# Altium PCB RPI Main Computer.PcbDoc (part 1 of 2)
Units mm, origin at the board's own origin, x right, y up, seen from the top; angles counter-clockwise.
Board outline 129 x 105 mm, 4 copper layers (F.Cu, In1.Cu, In2.Cu, B.Cu); 126 components, 153 nets, 663 pads, 209 vias.
Unrouted connection lines stored in the file: 267.
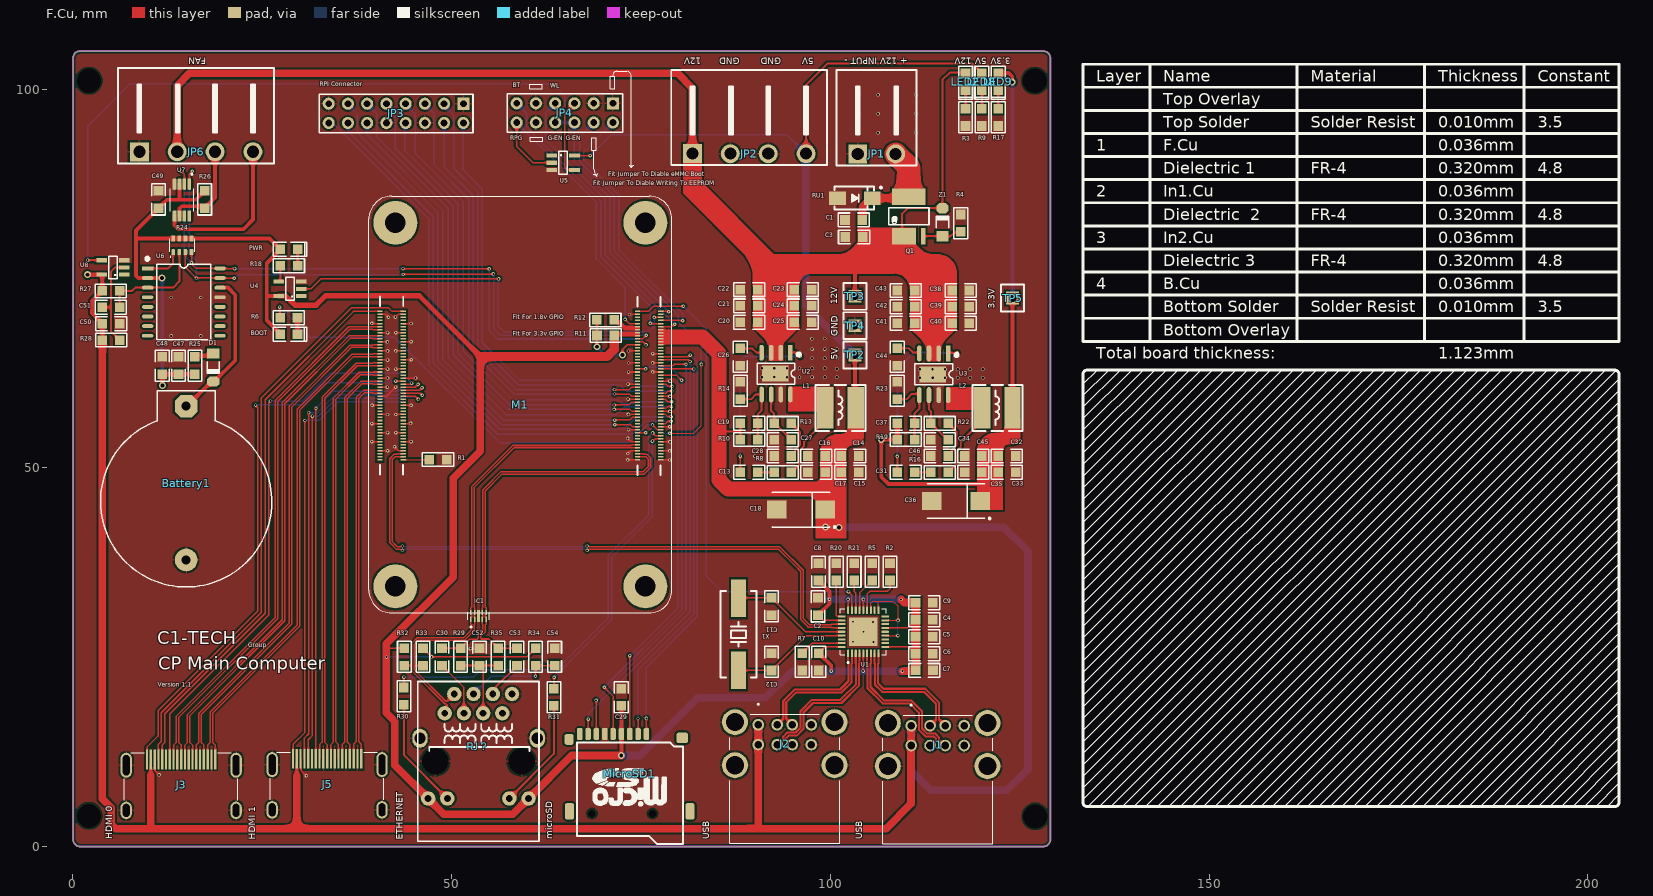
[diagram p0: F.Cu view]
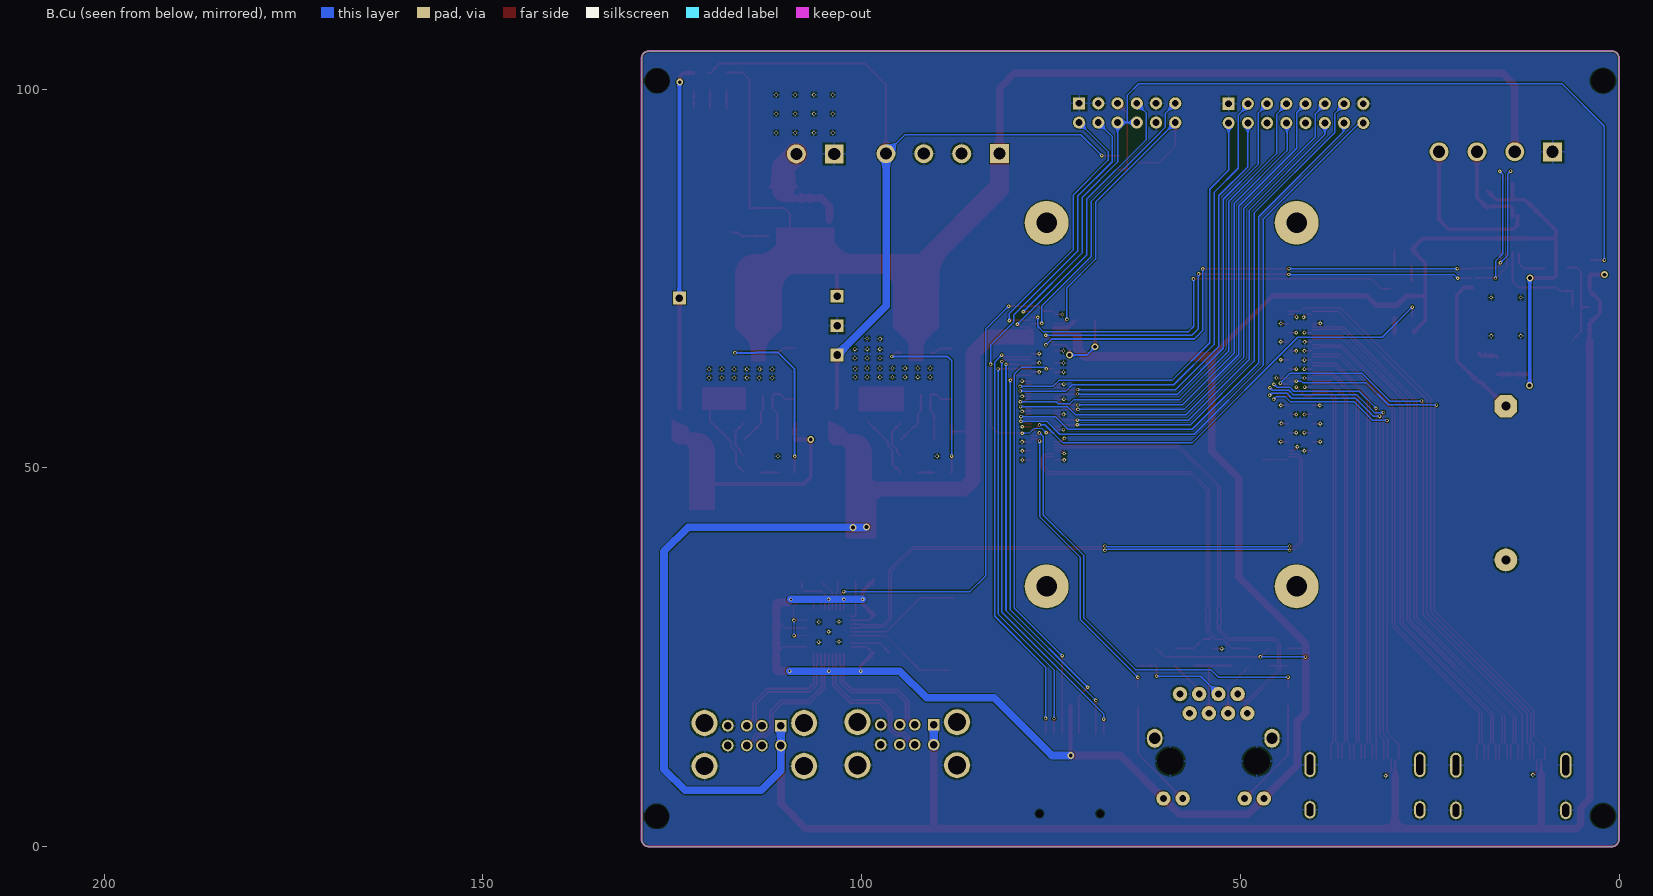
[diagram p1: B.Cu view, seen from below]
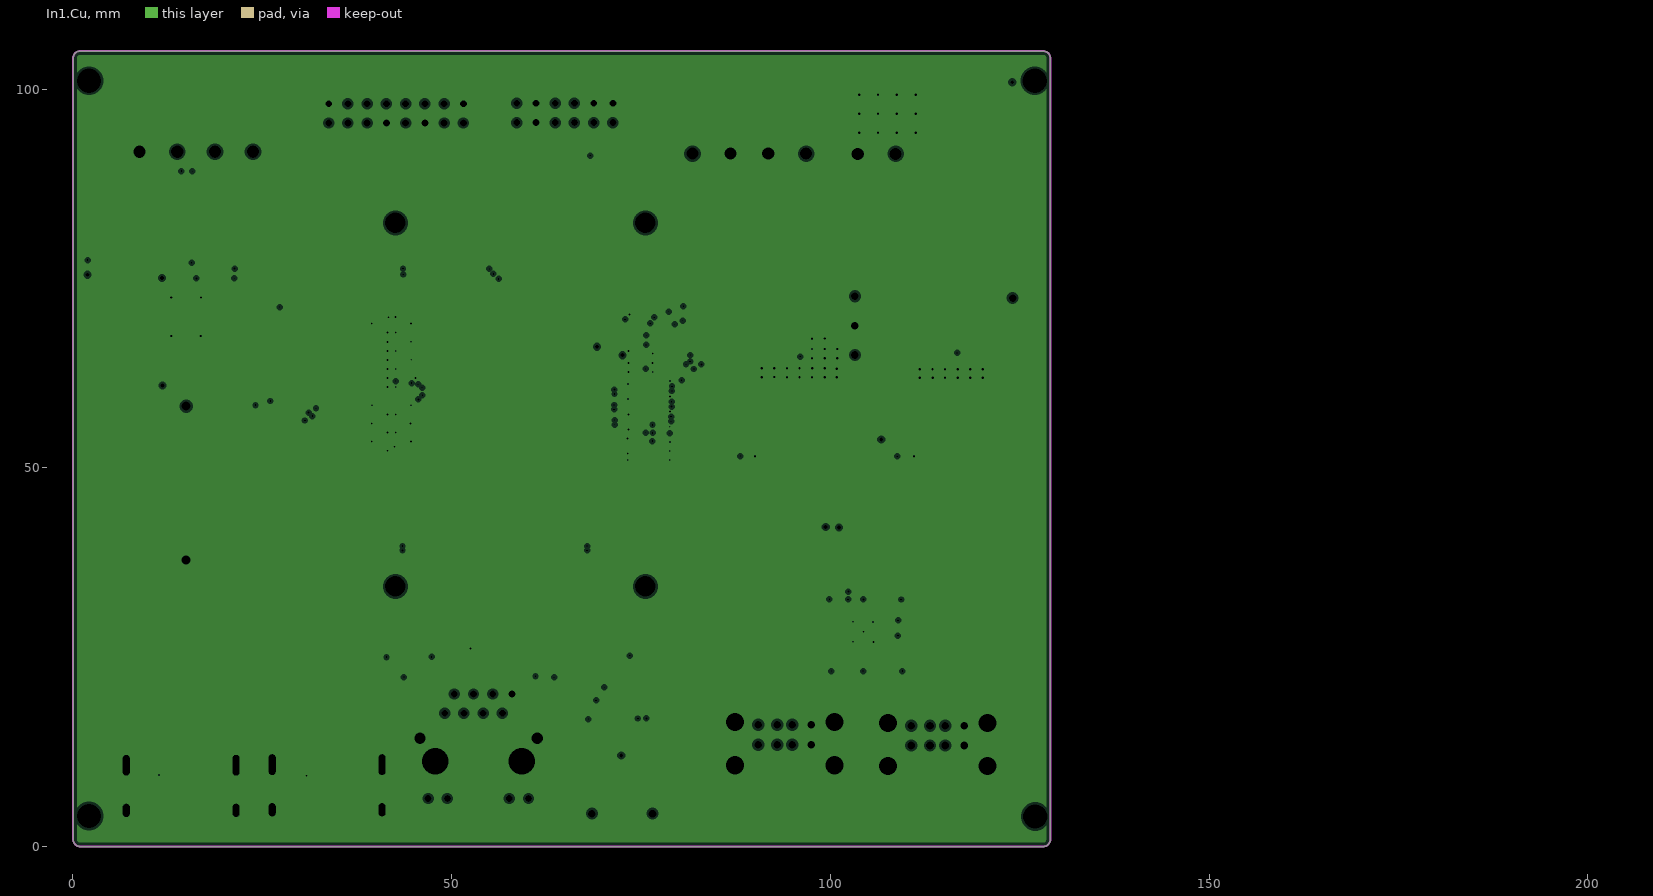
[diagram p2: In1.Cu, clearances drawn from the general rule]
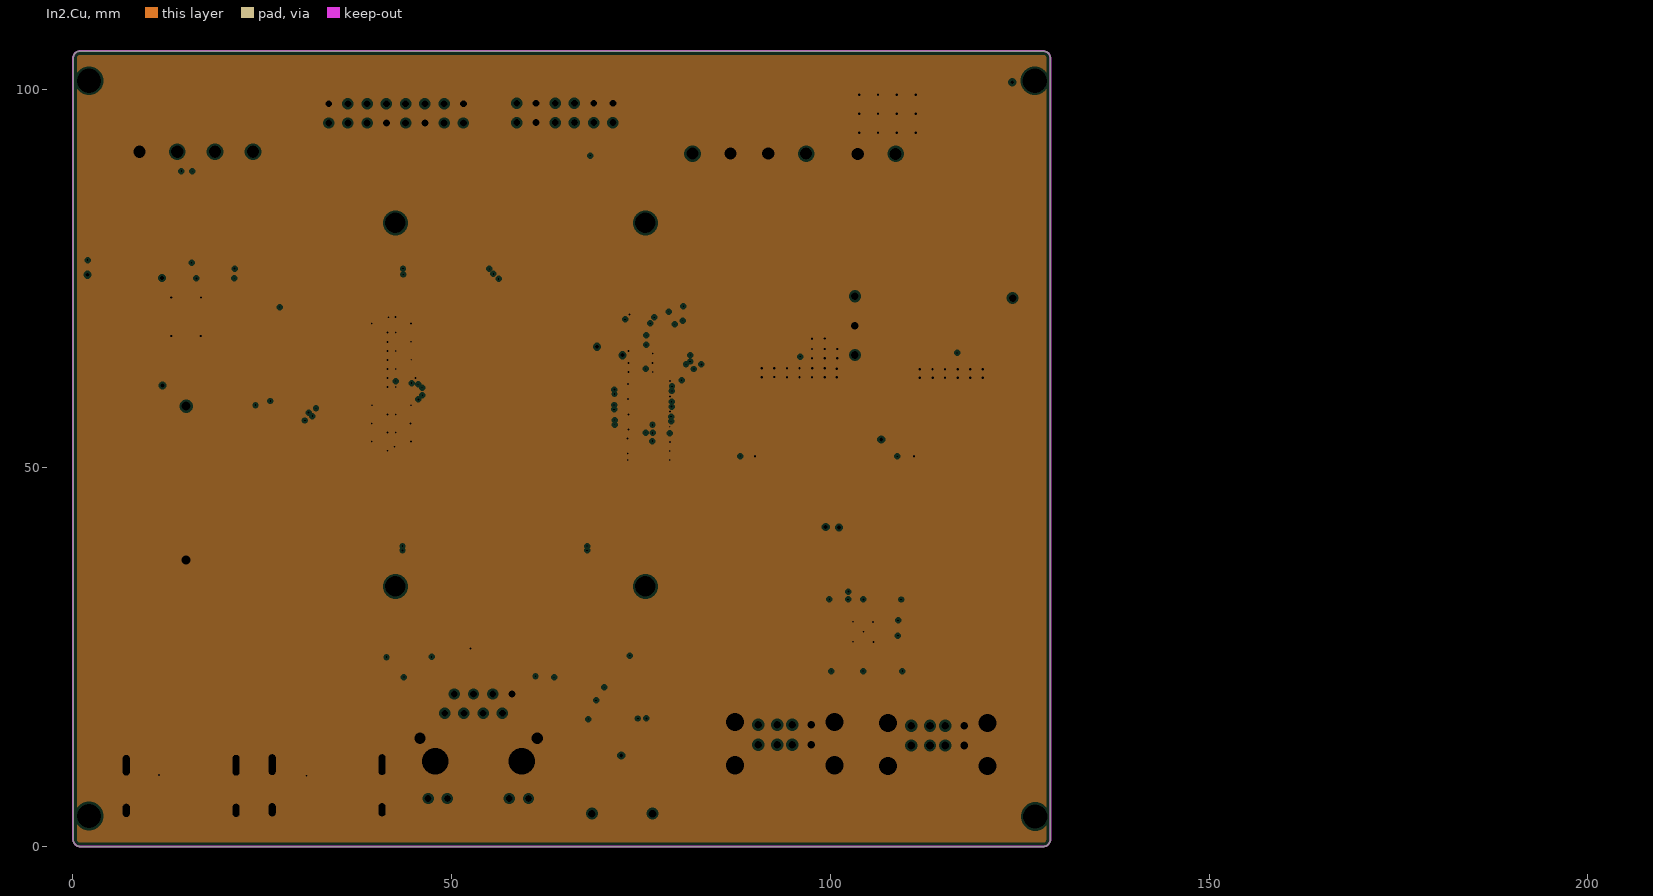
[diagram p3: In2.Cu, clearances drawn from the general rule]

## Layer stack, top to bottom
Top Solder: solder mask 0.0102, Solder Resist, Dk 3.5
F.Cu: signal copper 0.0356
Dielectric 1: prepreg 0.32, FR-4, Dk 4.8
In1.Cu: plane copper 0.0356, net GND
Dielectric  2: prepreg 0.32, FR-4, Dk 4.8
In2.Cu: plane copper 0.0356, net GND
Dielectric 3: prepreg 0.32, FR-4, Dk 4.8
B.Cu: signal copper 0.0356
Bottom Solder: solder mask 0.0102, Solder Resist, Dk 3.5

## Board outline
0.051,1.017 ccw(c0.993,0.965) 0.888,0.028 0.851,0.017 128.051,0.017 ccw(c128.103,0.958) 129.04,0.853 129.051,0.817 129.051,104.017 ccw(c128.11,104.068) 128.215,105.005 128.151,105.017 1.051,105.017 ccw(c1,104.075) 0.063,104.18 0.051,104.217

## Design rules (kind name [scope] priority, off if disabled: settings)
Clearance Clearance_1 [InNamedPolygon('GND_L01_P000') Or InNamedPolygon('NONET_L02_P001')] p1: gap=0.25 ignorepadtopadclearanceinfootprint=FALSE
Clearance [All] p2: gap=0.12 ignorepadtopadclearanceinfootprint=FALSE
ComponentClearance [All] p1: gap=0 collisioncheckmode=3 verticalgap=0 showdistances=FALSE
DiffPairsRouting 90OHM [InDifferentialPairClass('90OHM')] p1: maxlimit=0.127 minlimit=0.127 mostfreqgap=0.127 toplayer_minwidth=0.2 toplayer_maxwidth=0.278 toplayer_prefwidth=0.278 bottomlayer_minwidth=0.2 bottomlayer_maxwidth=0.278 bottomlayer_prefwidth=0.278 maxuncoupledlength=12.7
DiffPairsRouting 100OHM [InDifferentialPairClass('100ohm')] p2: maxlimit=0.127 minlimit=0.127 mostfreqgap=0.127 toplayer_minwidth=0.2 toplayer_maxwidth=0.2 toplayer_prefwidth=0.2 bottomlayer_minwidth=0.2 bottomlayer_maxwidth=0.2 bottomlayer_prefwidth=0.2 maxuncoupledlength=12.7
HoleSize [All] p1: absolutevalues=TRUE maxlimit=5 minlimit=0.025 maxpercent=80.000 minpercent=20.000
PlaneClearance [All] p1: clearance=0.3
PlaneConnect [All] p1: planeconnectstyle=Direct reliefexpansion=0.508 reliefentries=4 reliefconductorwidth=0.254 reliefairgap=0.254
PolygonConnect PolygonConnect_1 [All vs IsNamedPolygon('GND_L01_P000') Or IsNamedPolygon('NONET_L02_P001')] p1: thpad.connectstyle=Relief thpad.reliefconductorwidth=0.254 thpad.reliefentries=4 thpad.polygonreliefangle="90 Angle" thpad.airgapwidth=0.254 smdpad.connectstyle=Direct smdpad.reliefconductorwidth=0.254 smdpad.reliefentries=4 smdpad.polygonreliefangle="90 Angle" smdpad.airgapwidth=0.254 via.connectstyle=Direct via.reliefconductorwidth=0.254 via.reliefentries=4 via.polygonreliefangle="90 Angle" via.airgapwidth=0.254
PolygonConnect [All] p2: connectstyle=Relief reliefconductorwidth=0.254 reliefentries=4 polygonreliefangle="90 Angle" airgapwidth=0.254
RoutingVias [All] p1: holewidth=0.25 width=0.45 viastyle="Through Hole" minholewidth=0.2 minwidth=0.35 maxholewidth=0.5 maxwidth=0.9
SolderMaskExpansion [All] p1: expansion=0.102 istentingtop=FALSE
Width [All] p1: maxlimit=3 minlimit=0.127 preferedwidth=0.2
25 further rules are at their usual default settings.

## Classes and differential pairs
differential pair class 90ohm: USB1_D USB2 USB2_D USB3_D USB4_D
differential pair class 100ohm: HDMI0_CK HDMI0_D0 HDMI0_D1 HDMI0_D2 HDMI1_CK HDMI1_D0 HDMI1_D1 HDMI1_D2 TRD0 TRD1
differential pair USB4_D: +USB4_D_P -USB4_D_N
differential pair USB3_D: +USB3_D_P -USB3_D_N
differential pair USB2_D: +USB2_D_P -USB2_D_N
differential pair USB1_D: +USB1_D_P -USB1_D_N
differential pair USB2: +USB2_P -USB2_N
differential pair TRD1: +TRD1_P -TRD1_N
differential pair TRD0: +TRD0_P -TRD0_N
differential pair HDMI1_D2: +HDMI1_D2_P -HDMI1_D2_N
differential pair HDMI1_D1: +HDMI1_D1_P -HDMI1_D1_N
differential pair HDMI1_D0: +HDMI1_D0_P -HDMI1_D0_N
differential pair HDMI1_CK: +HDMI1_CK_P -HDMI1_CK_N
differential pair HDMI0_D2: +HDMI0_D2_P -HDMI0_D2_N
differential pair HDMI0_D1: +HDMI0_D1_P -HDMI0_D1_N
differential pair HDMI0_D0: +HDMI0_D0_P -HDMI0_D0_N
differential pair HDMI0_CK: +HDMI0_CK_P -HDMI0_CK_N

## Components (designator, comment, footprint, x,y, rotation, side; value= is the part's Value field where it differs from the comment)
Battery1 "Battery Button Cell" CR2032 14.986,47.998 r270 top
BOOT "LED GREEN" "LED 0805R" 28.534,67.656 r0 top (schematic designator LED7)
C1 "100nF" "C 0805" 103.093,82.723 r180 top
C2 "100nF" "C 0805" 98.382,31.703 r90 top
C3 "100nF" "C 0805" 103.136,80.478 r180 top
C4 "100nF" "C 0805" 112.396,29.968 r0 top
C5 "100nF" "C 0805" 112.396,27.725 r0 top
C6 "100nF" "C 0805" 112.396,25.482 r0 top
C7 "100nF" "C 0805" 112.415,23.265 r0 top
C8 "100nF" "C 0805" 98.449,36.272 r90 top
C9 "100nF" "C 0805" 112.396,32.211 r0 top
C10 "100nF" "C 0805" 98.487,24.401 r270 top
C11 "27pF" "C 0805" 92.244,31.708 r270 top
C12 "27pF" "C 0805" 92.244,24.395 r90 top
C13 "100nF" "C 0805" 89.281,49.403 r0 top
C14 "10uF" "C 0805" 102.616,51.562 r0 top
C15 "10uF" "C 0805" 102.616,49.403 r0 top
C16 "10uF" "C 0805" 98.171,51.562 r180 top
C17 "10uF" "C 0805" 98.171,49.403 r180 top
C18 "100uF" "CD D(7343)" 96.131,44.49 r180 top
C19 "nf" "C 0805" 89.281,55.88 r0 top
C20 "10uF" "C 0805" 89.281,69.215 r180 top
C21 "10uF" "C 0805" 89.281,71.374 r180 top
C22 "10uF" "C 0805" 89.281,73.533 r180 top
C23 "10uF" "C 0805" 96.393,73.533 r0 top
C24 "10uF" "C 0805" 96.393,71.374 r0 top
C25 "10uF" "C 0805" 96.393,69.215 r0 top
C26 "100nF" "C 0805" 88.138,64.643 r270 top
C27 "nf" "C 0805" 93.726,53.721 r180 top
C28 "1.2nF" "C 0805" 93.726,51.562 r180 top
C29 "10uF" "C 0805" 72.43,19.723 r90 top
C30 "6.8nF" "C 0805" 48.746,25.047 r270 top
C31 "100nF" "C 0805" 109.982,49.403 r0 top
C32 "10uF" "C 0805" 123.317,51.562 r0 top
C33 "10uF" "C 0805" 123.317,49.403 r0 top
C34 "10uF" "C 0805" 118.872,51.562 r180 top
C35 "10uF" "C 0805" 118.872,49.403 r180 top
C36 "100uF" "CD D(7343)" 116.586,45.625 r180 top
C37 "nf" "C 0805" 109.982,55.88 r0 top
C38 "10uF" "C 0805" 117.221,73.406 r0 top
C39 "10uF" "C 0805" 117.221,71.247 r0 top
C40 "10uF" "C 0805" 117.221,69.088 r0 top
C41 "10uF" "C 0805" 109.982,69.088 r180 top
C42 "10uF" "C 0805" 109.982,71.247 r180 top
C43 "10uF" "C 0805" 109.982,73.406 r180 top
C44 "100nF" "C 0805" 108.839,64.643 r270 top
C45 "nf" "C 0805" 114.427,53.721 r180 top
C46 "1.2nF" "C 0805" 114.427,51.562 r180 top
C47 "100nF" "C 0805" 13.97,63.5 r90 top
C48 "100nF" "C 0805" 11.811,63.5 r270 top
C49 "100nF" "C 0805" 11.335,85.425 r90 top
C50 "100nF" "C 0805" 5.075,69.037 r0 top
C51 "100nF" "C 0805" 5.051,71.204 r0 top
C52 "0.01uF" "C 0805" 53.7,25.047 r90 top
C53 "6.8nF" "C 0805" 58.655,25.047 r270 top
C54 "22nF" "C 0805" 63.609,25.047 r90 top
D1 "1N4148" "MINI_MELF (LL34)" 18.542,63.246 r270 top
IC1 "RClamp0524P" RClamp0524P 53.827,30.449 r90 top
J1 "USB-A-4Port" USB-A-4Port 114.173,10.668 r0 top
J2 "USB-A-4Port" USB-A-4Port 93.992,10.783 r0 top
J3 "47151-0001" HDMI-A 14.321,11.509 r180 top
J5 "47151-0001" HDMI-A 33.589,11.586 r180 top
JP1 "HDR-1X2" KF2EDGK-2P_H_5.08 103.627,91.44 r0 top
JP2 "HDR-1X4" KF2EDGK-4P_H_5.08 81.807,91.473 r0 top
JP3 "Header 8X2" HDR-8X2 51.572,98.064 r180 top
JP4 "Header 6X2" HDR-6X2 71.311,98.115 r180 top
JP6 "HDR-1X4" KF2EDGK-4P_H_5.08 8.799,91.717 r0 top
L1 "?uH" CD53 101.346,57.912 r0 top
L2 "?uH" CD53 122.047,57.912 r0 top
LED2 "LED-SMD" "LED 0805R" 117.856,100.965 r270 top
LED8 "LED-SMD" "LED 0805R" 120.015,100.965 r270 top
LED9 "LED-SMD" "LED 0805R" 122.174,100.965 r270 top
M1 "RPI CM4" CM4 59.329,58.377 r270 top
MicroSD1 "MicroSD Card" "micro SD Card" 75.734,14.871 r180 top
PWR "LED RED" "LED 0805R" 28.551,78.836 r0 top (schematic designator LED10)
Q1 "FDS4435BZ" SOP8-E3 110.363,83.185 r0 top
R1 "10K" "R 0805" 48.222,51.089 r0 top
R2 "36K, 1%" "R 0805" 105.522,36.272 r270 top
R3 "4.7K" "R 0805" 117.856,96.266 r270 top
R4 "1K" "R 0805" 117.221,82.296 r270 top
R5 "36K, 1%" "R 0805" 107.885,36.272 r270 top
R6 "1K" "R 0805" 28.534,69.818 r180 top
R7 "12K, 1%" "R 0805" 96.301,24.401 r90 top
R8 "10R" "R 0805" 93.726,49.403 r180 top
R9 "2.2K" "R 0805" 120.015,96.266 r270 top
R10 "12K" "R 0805" 89.281,53.721 r180 top
R11 "0" "R 0805" 70.352,67.468 r0 top
R12 "nf" "R 0805" 70.329,69.537 r0 top
R13 "20K" "R 0805" 93.726,55.88 r180 top
R14 "2.2K" "R 0805" 88.138,60.198 r270 top
R16 "22R" "R 0805" 114.427,49.403 r180 top
R17 "2.2K" "R 0805" 122.174,96.266 r270 top
R18 "1K" "R 0805" 28.551,76.677 r180 top
R19 "47K" "R 0805" 109.982,53.721 r180 top
R20 "36K, 1%" "R 0805" 100.795,36.272 r270 top
R21 "36K, 1%" "R 0805" 103.158,36.272 r270 top
R22 "12K" "R 0805" 114.427,55.88 r180 top
R23 "15K" "R 0805" 108.839,60.198 r270 top
R24 "4.7K" "RA1206 (4x0603)" 14.478,79.375 r90 top
R25 "220" "R 0805" 16.129,63.5 r90 top
R26 "510K" "R 0805" 17.431,85.425 r90 top
R27 "510K" "R 0805" 5.051,73.356 r180 top
R28 "510K" "R 0805" 5.075,66.853 r0 top
R29 "82R" "R 0805" 51.208,25.047 r90 top
R30 "470" "R 0805" 43.716,19.86 r90 top
R31 "470" "R 0805" 63.517,19.723 r90 top
R32 "51R" "R 0805" 43.776,25.047 r90 top
R33 "51R" "R 0805" 46.251,25.047 r270 top
R34 "10R" "R 0805" 61.114,25.047 r270 top
R35 "82R" "R 0805" 56.16,25.047 r270 top
RJ？ "HR911105A" RJ-45A12 46.923,6.358 r270 top
RU1 "*" SMA 103.251,85.598 r0 top
TP2 "Test Point" TEST_POINT_40MIL_R 103.25,64.897 r270 top
TP3 "Test Point" TEST_POINT_40MIL_R 103.251,72.644 r270 top
TP4 "Test Point" TEST_POINT_40MIL_R 103.25,68.764 r270 top
TP5 "Test Point" TEST_POINT_40MIL_R 124.069,72.41 r270 top
U1 "USB2514" QFN36 104.361,28.317 r90 top
U2 "AP64501SP-13" SOP8_M-EP 92.837,62.44 r270 top
U3 "AP64501SP-13" SOP8_M-EP 113.665,62.357 r270 top
U4 "SN74LVC1G17DBVT" SOT23-5M 28.678,73.629 r90 top
U5 "SN74LVC1G17DBVT" SOT23-5M 64.741,90.263 r270 top
U6 "DS3231" SOP16W_L 14.681,71.882 r0 top
U7 "EMC2301" MSOP-8 14.451,85.38 r270 top
U8 "SN74LVC1G17DBVT" SOT23-5M 5.334,76.454 r90 top
X1 "12MHz" XTAL-HC49S-SMD 87.885,28.038 r90 top
Z1 "1N4106" DO-213AA 114.808,82.423 r90 top

## Footprints (in the part's own frame and the unit in brackets; to place one, negate y for a bottom-side part, rotate by r counter-clockwise, add the part's x,y. Pads: shape width x height; smd on the part's side, far side on the other; paste and mask are expansions set on the pad)
"C 0805" [mil] "ï¿½Þ¼ï¿½ï¿½ï¿½ï¿½ï¿½Æ¬ï¿½ï¿½ï¿½ï¿½"
  rect 50x50 smd: 1(-45,0) 2(45,0)
  silkscreen extent -81,-36 81,36, body extent -39,-24 39,24, height 20
CD53 [mm] "5.8*5.2*3.5mm£¨³¤¿í¸ß£©"
  rect 2.15x5.5 smd: 1(-2,0) 2(2,0)
  silkscreen extent -3.3,-3.05 3.3,3.05, body extent -2.87,-2.5 2.87,2.5, height 3.6
"CD D(7343)" [mm] "Capacitor, SM Tantalum; Body 7.3 x 4.3 mm (LxW typ)"
  rect 2.6x2.4 smd: 1(-3.2,0) 2(3.2,0)
  silkscreen extent -4.58,-2.3 3.8,2.42, body extent -3.65,-2.15 3.65,2.15, height 2.8
CM4 [mm]
  rect 0.2x0.7 smd: 1(7.325,18.311) 2(7.325,15.231) 3(6.925,18.311) 4(6.925,15.231) 5(6.525,18.311) 6(6.525,15.231) 7(6.125,18.311) 8(6.125,15.231) 9(5.725,18.311) 10(5.725,15.231) 11(5.325,18.311) 12(5.325,15.231) 13(4.925,18.311) 14(4.925,15.231) 15(4.525,18.311) 16(4.525,15.231) 17(4.125,18.311) 18(4.125,15.231) 19(3.725,18.311) 20(3.725,15.231) 21(3.325,18.311) 22(3.325,15.231) 23(2.925,18.311) 24(2.925,15.231) 25(2.525,18.311) 26(2.525,15.231) 27(2.125,18.311) 28(2.125,15.231) 29(1.725,18.311) 30(1.725,15.231) 31(1.325,18.311) 32(1.325,15.231) 33(0.925,18.311) 34(0.925,15.231) 35(0.525,18.311) 36(0.525,15.231) 37(0.125,18.311) 38(0.125,15.231) 39(-0.275,18.311) 40(-0.275,15.231) 41(-0.675,18.311) 42(-0.675,15.231) 43(-1.075,18.311) 44(-1.075,15.231) 45(-1.475,18.311) 46(-1.475,15.231) 47(-1.875,18.311) 48(-1.875,15.231) 49(-2.275,18.311) 50(-2.275,15.231) 51(-2.675,18.311) 52(-2.675,15.231) 53(-3.075,18.311) 54(-3.075,15.231) 55(-3.475,18.311) 56(-3.475,15.231) 57(-3.875,18.311) 58(-3.875,15.231) 59(-4.275,18.311) 60(-4.275,15.231) 61(-4.675,18.311) 62(-4.675,15.231) 63(-5.075,18.311) 64(-5.075,15.231) 65(-5.475,18.311) 66(-5.475,15.231) 67(-5.875,18.311) 68(-5.875,15.231) 69(-6.275,18.311) 70(-6.275,15.231) 71(-6.675,18.311) 72(-6.675,15.231) 73(-7.075,18.311) 74(-7.075,15.231) 75(-7.475,18.311) 76(-7.475,15.231) 77(-7.875,18.311) 78(-7.875,15.231) 79(-8.275,18.311) 80(-8.275,15.231) 81(-8.675,18.311) 82(-8.675,15.231) 83(-9.075,18.311) 84(-9.075,15.231) 85(-9.475,18.311) 86(-9.475,15.231) 87(-9.875,18.311) 88(-9.875,15.231) 89(-10.275,18.311) 90(-10.275,15.231) 91(-10.675,18.311) 92(-10.675,15.231) 93(-11.075,18.311) 94(-11.075,15.231) 95(-11.475,18.311) 96(-11.475,15.231) 97(-11.875,18.311) 98(-11.875,15.231) 99(-12.275,18.311) 100(-12.275,15.231) 101(7.325,-15.689) 102(7.325,-18.769) 103(6.925,-15.689) 104(6.925,-18.769) 105(6.525,-15.689) 106(6.525,-18.769) 107(6.125,-15.689) 108(6.125,-18.769) 109(5.725,-15.689) 110(5.725,-18.769) 111(5.325,-15.689) 112(5.325,-18.769) 113(4.925,-15.689) 114(4.925,-18.769) 115(4.525,-15.689) 116(4.525,-18.769) 117(4.125,-15.689) 118(4.125,-18.769) 119(3.725,-15.689) 120(3.725,-18.769) 121(3.325,-15.689) 122(3.325,-18.769) 123(2.925,-15.689) 124(2.925,-18.769) 125(2.525,-15.689) 126(2.525,-18.769) 127(2.125,-15.689) 128(2.125,-18.769) 129(1.725,-15.689) 130(1.725,-18.769) 131(1.325,-15.689) 132(1.325,-18.769) 133(0.925,-15.689) 134(0.925,-18.769) 135(0.525,-15.689) 136(0.525,-18.769) 137(0.125,-15.689) 138(0.125,-18.769) 139(-0.275,-15.689) 140(-0.275,-18.769) 141(-0.675,-15.689) 142(-0.675,-18.769) 143(-1.075,-15.689) 144(-1.075,-18.769) 145(-1.475,-15.689) 146(-1.475,-18.769) 147(-1.875,-15.689) 148(-1.875,-18.769) 149(-2.275,-15.689) 150(-2.275,-18.769) 151(-2.675,-15.689) 152(-2.675,-18.769) 153(-3.075,-15.689) 154(-3.075,-18.769) 155(-3.475,-15.689) 156(-3.475,-18.769) 157(-3.875,-15.689) 158(-3.875,-18.769) 159(-4.275,-15.689) 160(-4.275,-18.769) 161(-4.675,-15.689) 162(-4.675,-18.769) 163(-5.075,-15.689) 164(-5.075,-18.769) 165(-5.475,-15.689) 166(-5.475,-18.769) 167(-5.875,-15.689) 168(-5.875,-18.769) 169(-6.275,-15.689) 170(-6.275,-18.769) 171(-6.675,-15.689) 172(-6.675,-18.769) 173(-7.075,-15.689) 174(-7.075,-18.769) 175(-7.475,-15.689) 176(-7.475,-18.769) 177(-7.875,-15.689) 178(-7.875,-18.769) 179(-8.275,-15.689) 180(-8.275,-18.769) 181(-8.675,-15.689) 182(-8.675,-18.769) 183(-9.075,-15.689) 184(-9.075,-18.769) 185(-9.475,-15.689) 186(-9.475,-18.769) 187(-9.875,-15.689) 188(-9.875,-18.769) 189(-10.275,-15.689) 190(-10.275,-18.769) 191(-10.675,-15.689) 192(-10.675,-18.769) 193(-11.075,-15.689) 194(-11.075,-18.769) 195(-11.475,-15.689) 196(-11.475,-18.769) 197(-11.875,-15.689) 198(-11.875,-18.769) 199(-12.275,-15.689) 200(-12.275,-18.769)